# Altium PCB PCB_Amplifier.PcbDoc (part 3 of 4) (continued)
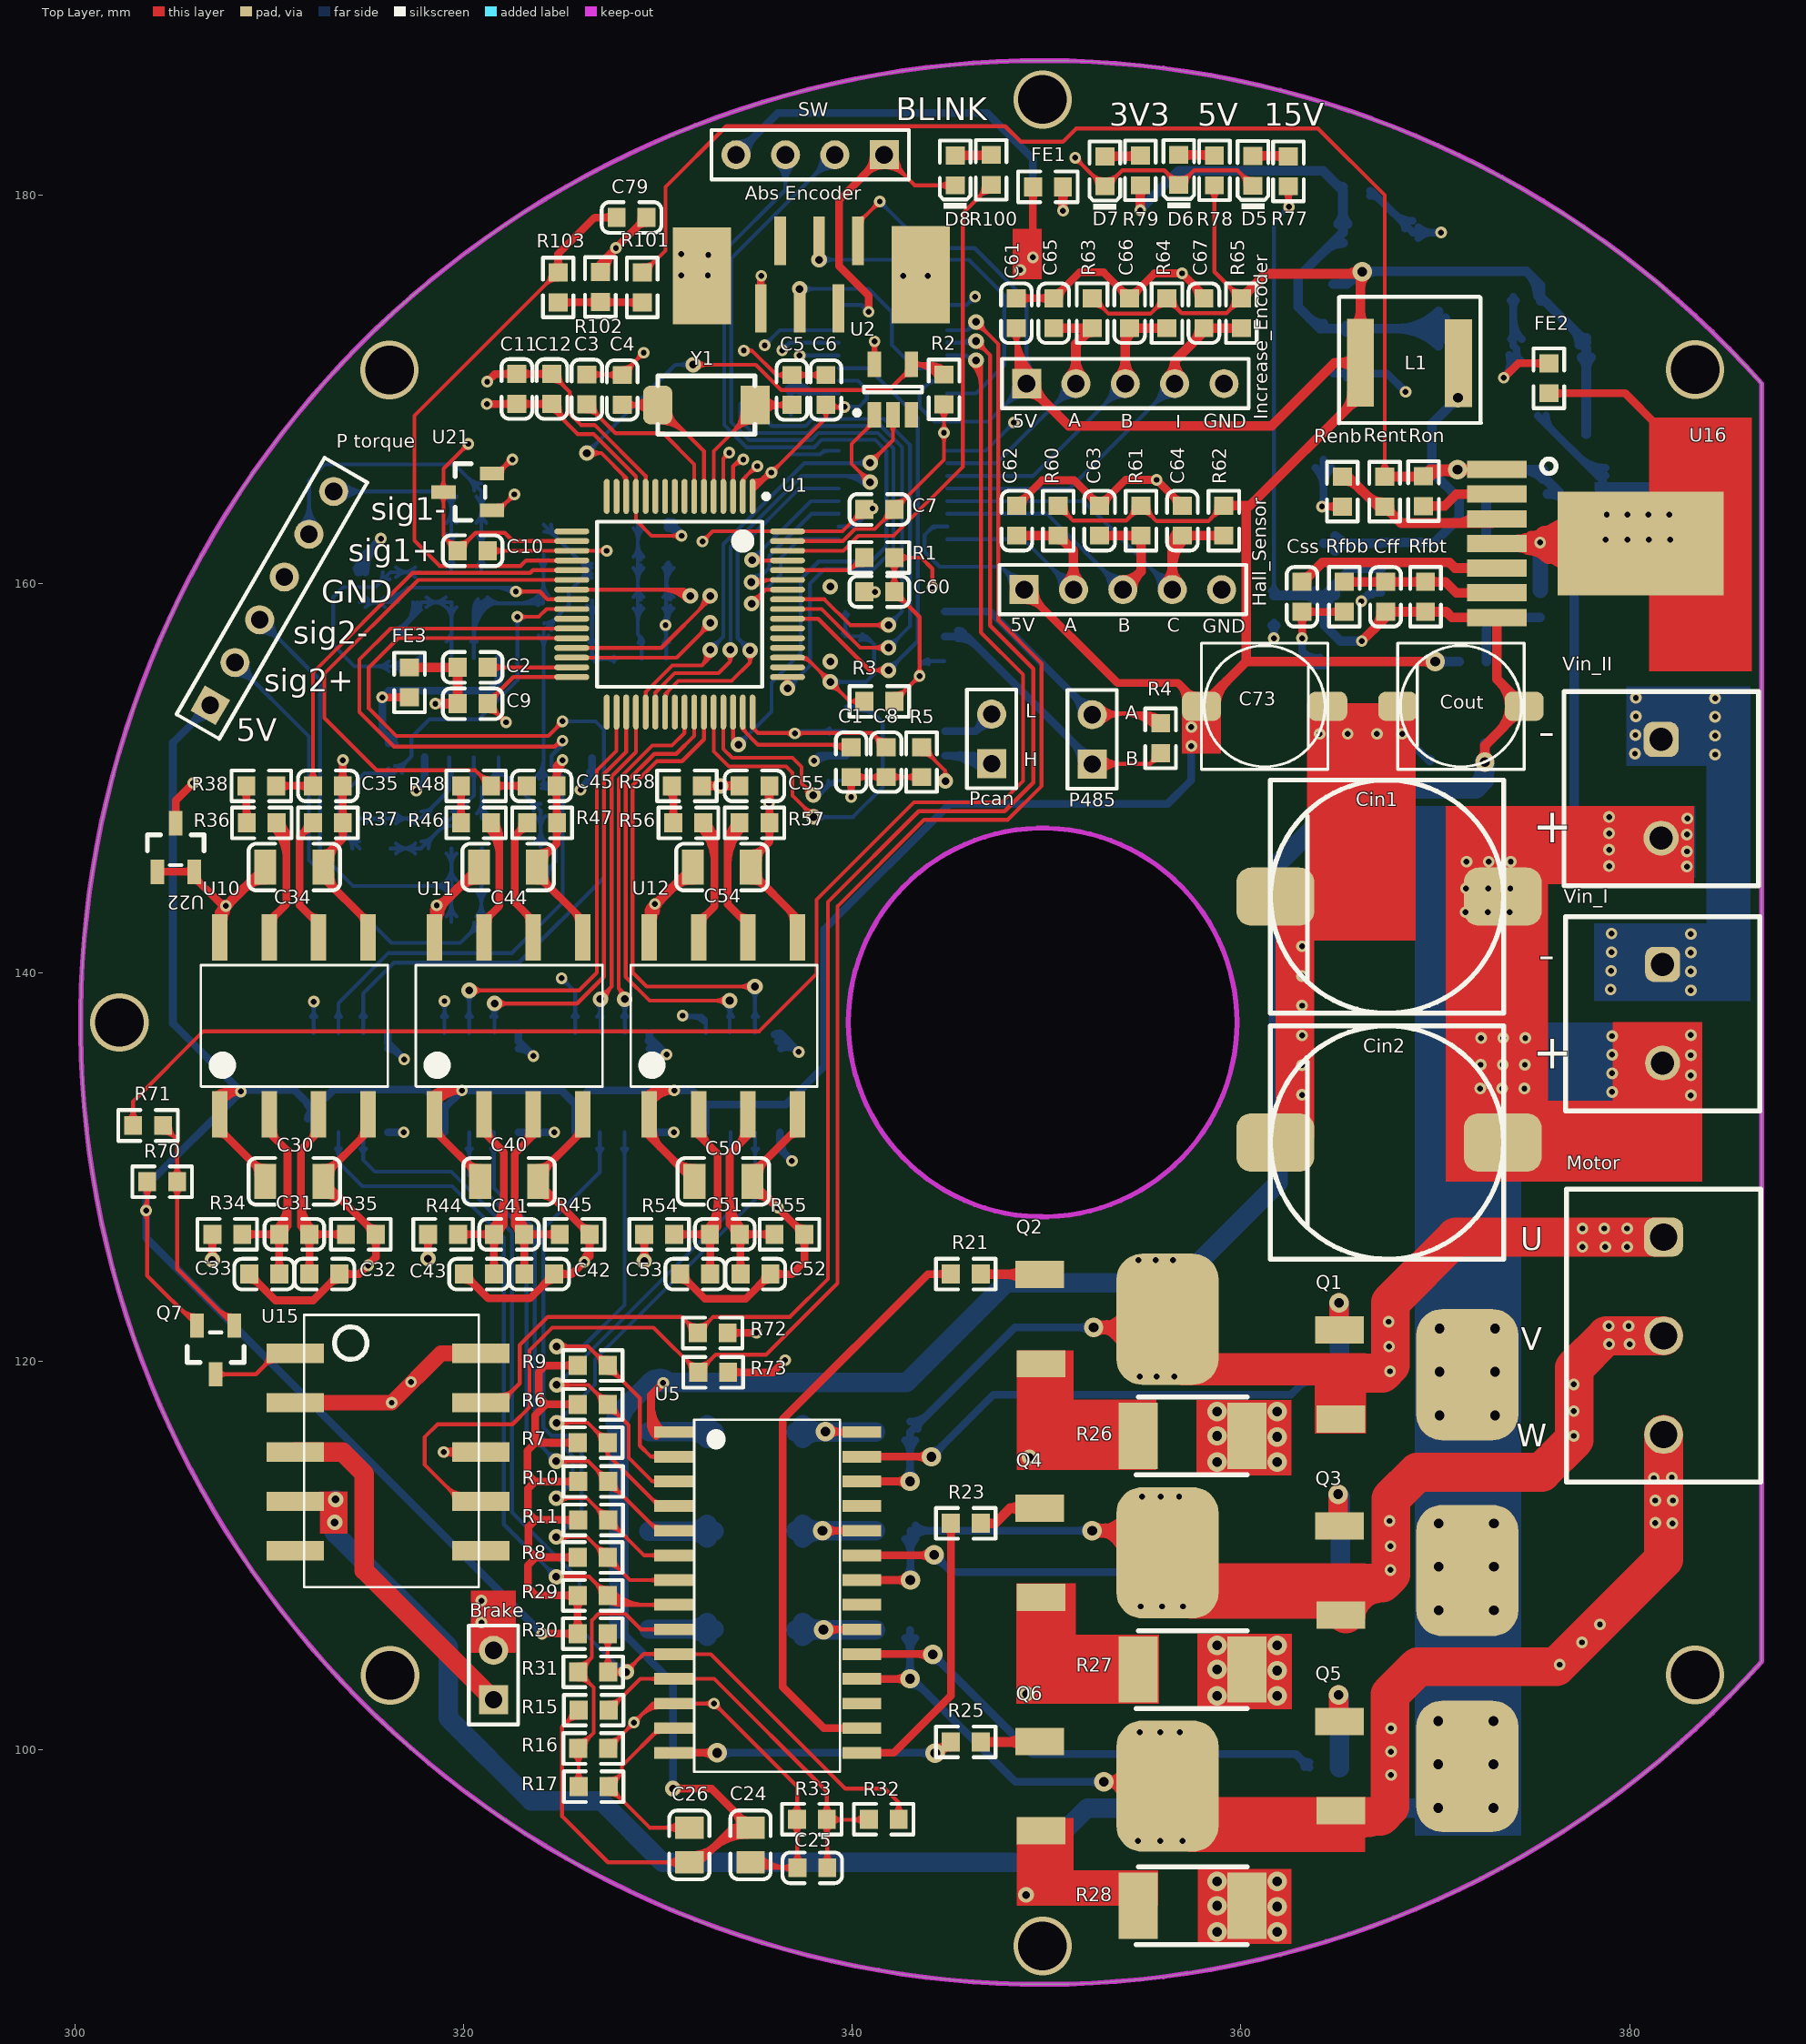
[diagram p0: Top Layer view]
## Nets (pads, with @x,y where several pads share a name; then routed paths per layer and width w, separated by ;. In a path a pad name is that pad's centre, name@x,y a point inside that pad or via, vN(x,y) a via of type N, cw(c..) or ccw(c..) an arc to the next point about the centre after c; other vN are vias at no path point) (continued)
  Bottom Layer w0.2: U13.16@344.9,162.3 348.79,162.3 Hall_Sensor.2@351.39,159.7 ; Hall_Sensor.2@350.74,159.7 ccw(c349.171,159.7) 350.28,160.81 ccw(c351.39,161.919) Hall_Sensor.2@351.39,160.35 ; Hall_Sensor.2@350.94,159.7 ccw(c349.854,159.7) 350.622,160.468 ccw(c351.39,161.236) Hall_Sensor.2@351.39,160.15
NetC63_2: C63.2 Hall_Sensor.3 R61.1 U13.14 | length 24.5
  Top Layer w0.5: C63.2@352.735,162.48 R61.1@354.865,162.48 354.865,160.635 Hall_Sensor.3@353.93,159.7 ; C63.2@352.912,162.328 cw(c353.279,161.961) 353.279,162.48 cw(c353.279,162.999) C63.2@352.912,162.632 ; Hall_Sensor.3@353.93,160.2 ccw(c353.93,161.407) 354.784,160.554 ccw(c355.637,159.7) Hall_Sensor.3@354.43,159.7 ; R61.1@354.688,162.328 ccw(c354.321,161.961) 354.321,162.48 ccw(c354.321,162.999) R61.1@354.688,162.632 ; R61.1@354.713,162.328 cw(c354.346,161.961) 354.865,161.961 cw(c355.384,161.961) R61.1@355.017,162.328
  Bottom Layer w0.2: U13.14@344.9,163.6 350.03,163.6 Hall_Sensor.3@353.93,159.7 ; Hall_Sensor.3@353.28,159.7 ccw(c351.711,159.7) 352.82,160.81 ccw(c353.93,161.919) Hall_Sensor.3@353.93,160.35 ; Hall_Sensor.3@353.48,159.7 ccw(c352.394,159.7) 353.162,160.468 ccw(c353.93,161.236) Hall_Sensor.3@353.93,160.15
NetC64_2: C64.2 Hall_Sensor.4 R62.1 U13.13 | length 30.4
  Top Layer w0.5: Hall_Sensor.4@356.116,160.054 ccw(c355.263,160.907) 356.47,160.907 ccw(c357.677,160.907) Hall_Sensor.4@356.824,160.054 ; Hall_Sensor.4@356.47,159.7 356.47,161.955 C64.2@356.995,162.48 R62.1@359.125,162.48 ; 356.47,160.754 cw(c358.696,160.754) C64.2@357.122,162.328 ; 356.47,161.755 cw(c356.98,161.755) C64.2@356.973,162.265 ; 356.47,161.961 cw(c357.489,161.961) C64.2@356.768,162.682 ; C64.2@356.585,162.07 ccw(c356.176,162.48) C64.2@356.755,162.48 ; C64.2@356.646,162.131 cw(c356.97,161.806) C64.2@356.97,162.265 ; C64.2@357.172,162.328 cw(c357.539,161.961) 357.539,162.48 cw(c357.539,162.999) C64.2@357.172,162.632 ; R62.1@358.948,162.328 ccw(c358.581,161.961) 358.581,162.48 ccw(c358.581,162.999) R62.1@358.948,162.632
  Bottom Layer w0.2: U13.13@344.9,164.25 351.92,164.25 Hall_Sensor.4@356.47,159.7 ; Hall_Sensor.4@355.82,159.7 ccw(c354.251,159.7) 355.36,160.81 ccw(c356.47,161.919) Hall_Sensor.4@356.47,160.35 ; Hall_Sensor.4@356.02,159.7 ccw(c354.934,159.7) 355.702,160.468 ccw(c356.47,161.236) Hall_Sensor.4@356.47,160.15
NetC65_2: C65.2 Increase_Encoder.2 R63.1 U13.10 | length 22
  Top Layer w0.5: C65.2@350.375,173.155 R63.1@352.35,173.155 ; C65.2@350.552,173.003 cw(c350.919,172.636) 350.919,173.155 cw(c350.919,173.674) C65.2@350.552,173.307 ; Increase_Encoder.2@351.161,170.654 ccw(c350.308,171.507) 351.515,171.507 ccw(c352.722,171.507) Increase_Encoder.2@351.869,170.654 ; Increase_Encoder.2@351.515,170.3 351.515,172.34 R63.1@352.325,173.15 ; R63.1@351.954,172.779 ccw(c351.579,173.155) R63.1@352.11,173.155 ; R63.1@351.967,172.792 cw(c352.325,172.433) R63.1@352.325,172.94 ; R63.1@352.173,173.003 ccw(c351.806,172.636) 351.806,173.155 ccw(c351.806,173.674) R63.1@352.173,173.307
  Bottom Layer w0.2: U13.10@344.9,166.2 347.415,166.2 Increase_Encoder.2@351.515,170.3 ; Increase_Encoder.2@350.865,170.3 cw(c349.296,170.3) 350.405,169.19 cw(c351.515,168.081) Increase_Encoder.2@351.515,169.65 ; Increase_Encoder.2@351.065,170.3 cw(c349.979,170.3) 350.747,169.532 cw(c351.515,168.764) Increase_Encoder.2@351.515,169.85
NetC66_2: C66.2 Increase_Encoder.3 R64.1 U13.11 | length 24.5
  Top Layer w0.5: Increase_Encoder.3@353.701,170.654 ccw(c352.848,171.507) 354.055,171.507 ccw(c355.262,171.507) Increase_Encoder.3@354.409,170.654 ; Increase_Encoder.3@354.055,170.3 C66.2@354.055,173.155 ; 354.055,172.165 cw(c355.24,172.165) C66.2@354.402,173.003 ; C66.2@354.35,173.155 R64.1@356.2,173.155 ; C66.2@354.452,173.003 cw(c354.819,172.636) 354.819,173.155 cw(c354.819,173.674) C66.2@354.452,173.307 ; R64.1@356.023,173.003 ccw(c355.656,172.636) 355.656,173.155 ccw(c355.656,173.674) R64.1@356.023,173.307
  Bottom Layer w0.2: U13.11@344.9,165.55 349.305,165.55 Increase_Encoder.3@354.055,170.3 ; Increase_Encoder.3@353.405,170.3 cw(c351.836,170.3) 352.945,169.19 cw(c354.055,168.081) Increase_Encoder.3@354.055,169.65 ; Increase_Encoder.3@353.605,170.3 cw(c352.519,170.3) 353.287,169.532 cw(c354.055,168.764) Increase_Encoder.3@354.055,169.85
NetC67_2: C67.2 Increase_Encoder.4 R65.1 U13.12 | length 27.6
  Top Layer w0.5: Increase_Encoder.4@356.249,170.661 ccw(c355.476,171.47) 356.595,171.47 ; Increase_Encoder.4@356.595,170.3 356.595,171.47 ; Increase_Encoder.4@356.941,170.661 cw(c357.714,171.47) 356.595,171.47 ; 357.563,172.438 ccw(c356.846,173.155) C67.2@357.86,173.155 ; C67.2@358.277,173.003 cw(c358.644,172.636) 358.644,173.155 cw(c358.644,173.674) C67.2@358.277,173.307 ; R65.1@359.848,173.003 ccw(c359.481,172.636) 359.481,173.155 ccw(c359.481,173.674) R65.1@359.848,173.307 ; R65.1@360.025,173.155 358.28,173.155 356.595,171.47
  Bottom Layer w0.2: U13.12@344.9,164.9 351.195,164.9 Increase_Encoder.4@356.595,170.3 ; Increase_Encoder.4@355.945,170.3 cw(c354.376,170.3) 355.485,169.19 cw(c356.595,168.081) Increase_Encoder.4@356.595,169.65 ; Increase_Encoder.4@356.145,170.3 cw(c355.059,170.3) 355.827,169.532 cw(c356.595,168.764) Increase_Encoder.4@356.595,169.85
NetC72_1: C72.1 L1.2 T1.2 U17.8 | length 18.2
  Bottom Layer w0.5: T1.2@364.255,162.08 U17.8@367.225,162.08 367.28,162.135 369.96,162.135 371.225,163.4 C72.1@371.225,164.375 369.825,165.775 369.825,168.225 v2(371.175,169.575) ; T1.2@364.839,161.686 cw(c365.79,160.735) 365.79,162.08 ; T1.2@364.839,162.464 ccw(c365.766,163.391) 365.766,162.08 ; C72.1@370.884,164.716 ccw(c371.225,165.058) C72.1@371.225,164.575 ; v2@370.925,169.575 cw(c370.321,169.575) 370.748,169.148 cw(c371.175,168.721) v2@371.175,169.325
NetC72_2: C72.2 U17.1 | length 2.3
  Bottom Layer w0.5: U17.1@372.625,162.08 C72.2@372.625,164.375
NetC80_2: C80.2 R85.1 R86.2 U23.3 | length 17.5
  Bottom Layer w0.2: R86.2@328.747,158.742 cw(c328.196,158.191) 328.975,158.191 ; R86.2@328.747,159.308 ccw(c328.196,159.859) 328.975,159.859 ; C80.2@328.747,160.817 cw(c328.196,160.266) 328.975,160.266 ; C80.2@328.747,161.383 ccw(c328.196,161.934) 328.975,161.934 ; R85.1@328.747,162.867 cw(c328.196,162.316) 328.975,162.316 ; 328.975,158.046 cw(c329.959,158.046) R86.2@329.263,158.742 ; 328.975,158.529 cw(c329.476,158.529) R86.2@329.122,158.883 ; 328.975,159.521 ccw(c329.476,159.521) R86.2@329.122,159.167 ; 328.975,160.004 ccw(c329.959,160.004) R86.2@329.263,159.308 ; 328.975,160.121 cw(c329.959,160.121) C80.2@329.263,160.817 ; 328.975,160.604 cw(c329.476,160.604) C80.2@329.122,160.958 ; 328.975,161.596 ccw(c329.476,161.596) C80.2@329.122,161.242 ; 328.975,162.079 ccw(c329.959,162.079) C80.2@329.263,161.383 ; 328.975,162.171 cw(c329.959,162.171) R85.1@329.263,162.867 ; 328.975,162.654 cw(c329.476,162.654) R85.1@329.122,163.008 ; R85.1@329.005,163.15 328.975,163.12 328.975,157.4 ; U23.3@329.006,156.946 ccw(c328.73,157.155) 328.975,157.4 ; U23.3@329.05,156.989 ccw(c328.894,157.21) 329.165,157.21 ; 329.137,157.238 cw(c328.914,157.015) U23.3@329.165,156.825 ; U23.3@329.165,156.125 329.165,157.21 ; U23.3@329.28,156.989 cw(c329.436,157.21) 329.165,157.21 ; 328.975,157.4 329.165,157.21
NetC82_2: C82.2 R90.2 R91.2 U24.3 | length 20.8
  Bottom Layer w0.2: U24.3@320.399,157.016 ccw(c320.057,157.358) 320.54,157.358 ccw(c321.023,157.358) U24.3@320.681,157.016 ; U24.3@320.54,156.175 320.54,158.645 R90.2@320.95,159.055 ; 320.54,157.244 cw(c322.736,157.244) R90.2@321.183,158.797 ; 320.54,157.727 cw(c322.253,157.727) R90.2@321.042,158.938 ; 320.54,158.21 cw(c321.77,158.21) R90.2@320.9,159.08 ; R90.2@320.54,158.693 cw(c321.287,158.693) R90.2@320.759,159.221 ; R90.2@321.015,158.995 324.1,158.995 C82.2@324.125,161.505 ; R90.2@321.092,159.172 ccw(c321.518,159.598) 321.518,158.995 ; R90.2@321.233,158.797 cw(c321.711,158.319) 321.711,158.995 ; R90.2@321.233,159.313 ccw(c322.001,160.081) 322.001,158.995 ; 322.857,158.995 ccw(c322.857,160.388) R91.2@323.842,159.403 ; 323.34,158.995 ccw(c323.34,159.905) R91.2@323.983,159.262 ; 323.581,158.995 cw(c323.581,158.626) R91.2@323.842,158.887 ; C82.2@323.839,161.249 cw(c323.149,160.573) 324.116,160.563 ; R91.2@323.869,159.406 ccw(c323.309,159.978) 324.11,159.97 ; 324.111,160.083 ccw(c325.072,160.074) R91.2@324.386,159.401 ; 324.117,160.684 cw(c324.913,160.676) C82.2@324.356,161.244
NetC83_1: C83.1 R89.2 R92.1 U24.2 | length 17.7
  Bottom Layer w0.2: R92.1@316.411,157.654 ccw(c316.206,158.8) 317.161,158.135 ; R92.1@316.446,157.457 ccw(c316.326,158.128) R92.1@316.885,157.739 ; R92.1@316.45,157.295 C83.1@317.812,158.657 ; R92.1@316.475,157.66 ccw(c316.475,158.481) 317.055,157.9 ; R92.1@316.834,157.359 cw(c317.423,157.464) 316.932,157.806 ; R92.1@316.84,157.295 cw(c317.782,157.295) 317.116,157.961 ; R92.1@316.866,157.711 ccw(c315.521,159.055) C83.1@317.422,159.055 ; 317.207,158.052 ccw(c316.204,159.055) C83.1@317.622,159.055 ; 317.548,158.393 ccw(c316.887,159.055) C83.1@317.822,159.055 ; C83.1@317.812,159.055 R89.2@319.381,159.055 U24.2@319.381,156.286 ; C83.1@318.096,158.797 cw(c318.719,158.174) 318.719,159.055 cw(c318.719,159.936) C83.1@318.096,159.313 ; R89.2@319.098,158.797 ccw(c318.475,158.174) 318.475,159.055 ccw(c318.475,159.936) R89.2@319.098,159.313 ; R89.2@319.123,158.797 cw(c318.5,158.174) 319.381,158.174 cw(c320.262,158.174) R89.2@319.639,158.797 ; U24.2@319.129,157.016 ccw(c318.519,157.626) 319.381,157.626
NetC83_2: C83.2 R92.2 R93.1 U24.1 | length 21.9
  Bottom Layer w0.2: 315.578,159.929 ccw(c314.912,160.595) R93.1@315.854,160.595 ; 315.638,159.99 cw(c316.219,159.409) R93.1@316.219,160.23 ; R92.2@316.167,155.497 ccw(c315.544,154.874) 315.544,155.755 ccw(c315.544,156.636) R92.2@316.167,156.013 ; R93.1@316.527,160.337 cw(c317.15,159.714) 317.15,160.595 cw(c317.15,161.476) R93.1@316.527,160.853 ; R92.2@316.595,155.642 cw(c317.311,154.965) 317.311,155.95 ; R92.2@316.74,155.504 cw(c317.775,154.526) U24.1@317.775,155.95 ; 316.974,155.95 ccw(c316.974,157.201) U24.1@317.859,156.316 ; 317.457,155.95 ccw(c317.457,156.718) U24.1@318,156.175 317.775,155.95 316.645,155.95 R92.2@316.45,155.755 314.395,155.755 313.3,156.85 313.3,159.325 313.8,159.825 315.474,159.825 R93.1@316.244,160.595 C83.2@317.812,160.595 ; C83.2@317.529,160.337 ccw(c316.906,159.714) 316.906,160.595 ccw(c316.906,161.476) C83.2@317.529,160.853
NetC86_1: C86.1 R95.1 R96.1 U24.5 | length 15.9
  Bottom Layer w0.2: R95.1@320.692,148.178 ccw(c320.069,148.801) 320.95,148.801 ccw(c321.831,148.801) R95.1@321.208,148.178 ; R95.1@320.95,147.92 320.95,149.55 321.81,150.41 U24.5@321.81,151.075 321.81,150.495 323.975,148.33 C86.1@323.975,146.47 ; 321.409,150.009 cw(c321.81,149.608) 321.81,150.175 cw(c321.81,149.402) 322.356,149.949 ; 321.493,150.093 ccw(c321.212,150.375) U24.5@321.61,150.375 ; 323.334,148.971 cw(c322.668,148.305) R96.1@323.61,148.305 ; 323.395,148.91 ccw(c323.975,149.491) R96.1@323.975,148.67 ; C86.1@323.717,146.728 ccw(c323.094,147.351) 323.975,147.351 ccw(c324.856,147.351) C86.1@324.233,146.728 ; R96.1@323.717,148.047 cw(c323.094,147.424) 323.975,147.424 cw(c324.856,147.424) R96.1@324.233,148.047
NetC87_1: C87.1 R94.1 R97.1 U24.6 | length 15.5
  Bottom Layer w0.2: C87.1@316.244,146.38 R97.1@317.813,146.38 320.54,149.108 U24.6@320.54,151.075 ; C87.1@316.527,146.122 cw(c317.15,145.499) 317.15,146.38 cw(c317.15,147.261) C87.1@316.527,146.638 ; R97.1@317.529,146.122 ccw(c316.906,145.499) 316.906,146.38 ccw(c316.906,147.261) R97.1@317.529,146.638 ; R97.1@317.837,146.745 ccw(c317.837,147.566) 318.418,146.985 ; R97.1@318.203,146.38 cw(c319.144,146.38) 318.478,147.046 ; 318.727,147.294 cw(c319.356,146.665) R94.1@319.356,147.555 ; 318.736,147.303 ccw(c318.119,147.92) R94.1@318.991,147.92 ; R94.1@319.406,148.285 ccw(c319.406,149.036) 319.938,148.505 ; R94.1@319.571,147.92 cw(c320.099,147.92) R94.1@319.726,148.293 ; R94.1@319.771,147.92 cw(c320.782,147.92) 320.067,148.635 ; U24.6@320.399,150.234 cw(c320.057,149.892) 320.54,149.892 cw(c321.023,149.892) U24.6@320.681,150.234
NetC87_2: C87.2 R97.2 R99.1 U24.7 | length 14.6
  Bottom Layer w0.2: R99.1@314.675,147.92 R97.2@317.813,147.92 319.27,149.378 U24.7@319.27,151.075 ; R99.1@314.958,147.662 cw(c315.581,147.039) 315.581,147.92 cw(c315.581,148.801) R99.1@314.958,148.178 ; C87.2@315.961,147.662 ccw(c315.338,147.039) 315.338,147.92 ccw(c315.338,148.801) C87.2@315.961,148.178 ; C87.2@316.527,147.662 cw(c317.15,147.039) 317.15,147.92 cw(c317.15,148.801) C87.2@316.527,148.178 ; R97.2@317.529,147.662 ccw(c316.906,147.039) 316.906,147.92 ccw(c316.906,148.801) R97.2@317.529,148.178 ; R97.2@317.837,148.285 ccw(c317.837,149.106) 318.418,148.525 ; R97.2@318.203,147.92 cw(c319.144,147.92) 318.478,148.586 ; U24.7@319.129,150.234 cw(c318.787,149.892) 319.27,149.892 cw(c319.753,149.892) U24.7@319.411,150.234
NetCff_1: Cff.1 Rfbb.2 Rfbt.1 U16.6 | length 12.9
  Top Layer w0.5: Rfbb.2@365.325,160.1 370.525,160.1 371.09,159.535 U16.6@373.175,159.535 ; Rfbb.2@365.502,159.948 cw(c365.869,159.581) 365.869,160.1 cw(c365.869,160.619) Rfbb.2@365.502,160.252 ; Cff.1@367.273,159.948 ccw(c366.906,159.581) 366.906,160.1 ccw(c366.906,160.619) Cff.1@367.273,160.252 ; Cff.1@367.627,159.948 cw(c367.994,159.581) 367.994,160.1 cw(c367.994,160.619) Cff.1@367.627,160.252 ; Rfbt.1@369.323,159.948 ccw(c368.956,159.581) 368.956,160.1 ccw(c368.956,160.619) Rfbt.1@369.323,160.252 ; Rfbt.1@369.677,159.948 cw(c370.044,159.581) 370.044,160.1 cw(c370.044,160.619) Rfbt.1@369.677,160.252 ; U16.6@371.952,159.397 ccw(c371.619,159.064) 371.619,159.535 ccw(c371.619,160.006) U16.6@371.952,159.673
NetCss_2: Css.2 U16.5 | length 12.1
  Top Layer w0.5: Css.2@363.15,160.1 363.2,160.1 364.2,161.1 370.725,161.1 371.02,160.805 U16.5@373.175,160.805 ; Css.2@363.175,160.315 ccw(c363.175,160.894) Css.2@363.585,160.485 ; Css.2@363.39,160.1 cw(c363.849,160.1) Css.2@363.524,160.424 ; U16.5@371.952,160.667 ccw(c371.619,160.334) 371.619,160.805 ccw(c371.619,161.276) U16.5@371.952,160.943
NetD1_1: D1.1 R12.2 | length 5.3
  Bottom Layer w1: R12.2@329.545,116.375 D1.1@332.9,116.375 ; 331.693,116.375 ccw(c331.693,117.582) D1.1@332.546,116.729 ; 331.693,116.375 cw(c331.693,115.168) D1.1@332.546,116.021
NetD2_1: D2.1 R13.2 | length 5.3
  Bottom Layer w1: R13.2@329.545,111.25 D2.1@332.9,111.25 ; D2.1@332.546,110.896 ccw(c331.693,110.043) 331.693,111.25 ccw(c331.693,112.457) D2.1@332.546,111.604
NetD3_1: D3.1 R14.2 | length 5.3
  Bottom Layer w1: R14.2@329.545,106.2 D3.1@332.9,106.2 ; D3.1@332.546,105.846 ccw(c331.693,104.993) 331.693,106.2 ccw(c331.693,107.407) D3.1@332.546,106.554
NetD5_A: D5.A R77.1 | length 3.1
  Top Layer w0.5: D5.A@360.622,182.02 R77.1@362.425,182.02 ; D5.A@360.799,181.868 cw(c361.166,181.501) 361.166,182.02 cw(c361.166,182.539) D5.A@360.799,182.172 ; 361.846,182.02 cw(c361.846,181.416) R77.1@362.273,181.843
NetD6_A: D6.A R78.1 | length 3.1
  Top Layer w0.5: D6.A@356.811,182.07 R78.1@358.614,182.07 ; D6.A@356.988,181.918 cw(c357.355,181.551) 357.355,182.07 cw(c357.355,182.589) D6.A@356.988,182.222 ; 358.035,182.07 cw(c358.035,181.466) R78.1@358.462,181.893
NetD7_A: D7.A R79.1 | length 3.1
  Top Layer w0.5: D7.A@353,181.995 R79.1@354.778,181.995 ; D7.A@353.177,181.843 cw(c353.544,181.476) 353.544,181.995 cw(c353.544,182.514) D7.A@353.177,182.147 ; 354.164,181.995 ccw(c354.164,182.685) R79.1@354.651,182.197
NetD8_A: D8.A R100.1 | length 3.1
  Top Layer w0.5: D8.A@345.3,182.045 R100.1@347.125,182.045 ; D8.A@345.477,181.893 cw(c345.844,181.526) 345.844,182.045 cw(c345.844,182.564) D8.A@345.477,182.197 ; 346.546,182.045 ccw(c346.546,182.649) R100.1@346.973,182.222
NetP485_1: P485.1 R4.1 U4.7 | length 23.5
  Top Layer w0.2: P485.1@352.33,150.73 355.33,150.73 ; P485.1@352.668,150.407 cw(c353.448,149.627) 353.448,150.73 ; P485.1@352.668,151.043 ccw(c353.424,151.799) 353.424,150.73 ; P485.1@352.81,150.265 cw(c353.931,149.144) 353.931,150.73 ; P485.1@352.81,151.185 ccw(c353.907,152.282) 353.907,150.73 ; R4.1@355.49,151.222 cw(c354.928,151.132) 355.33,150.73 ; R4.1@355.825,150.916 ccw(c355.782,150.278) 355.33,150.73 ; R4.1@355.95,151.35 355.33,150.73
  Bottom Layer w0.4: U4.7@344.75,157.295 345.905,157.295 352.35,150.85 P485.1@352.35,150.225 ; U4.7@345.45,157.195 cw(c345.45,155.855) 346.397,156.803 ; U4.7@345.45,157.595 cw(c345.45,157.221) 345.715,157.485 ; 351.323,151.877 cw(c350.17,150.725) P485.1@351.8,150.725 ; 351.624,151.576 ccw(c352.35,152.301) P485.1@352.35,151.275
NetP485_2: P485.2 R4.2 U4.6 | length 27.6
  Top Layer w0.2: P485.2@352.35,152.765 352.91,153.325 355.325,153.325 ; P485.2@352.527,153.088 cw(c353.098,152.517) 353.098,153.325 ; P485.2@352.668,152.947 cw(c353.581,152.034) 353.581,153.325 ; P485.2@352.668,153.583 ccw(c353.292,154.207) 353.292,153.325 ; P485.2@352.81,152.805 cw(c354.064,151.551) 354.064,153.325 ; P485.2@352.81,153.725 ccw(c353.774,154.689) 353.774,153.325 ; 353.75,153.325 cw(c353.75,150.72) R4.2@355.592,152.562 ; 354.232,153.325 cw(c354.232,151.202) R4.2@355.733,152.703 ; 354.715,153.325 cw(c354.715,151.685) R4.2@355.875,152.845 ; 355.198,153.325 cw(c355.198,152.168) R4.2@356.016,152.986 ; R4.2@355.487,152.861 ccw(c354.925,152.925) 355.325,153.325 ; R4.2@355.787,153.179 cw(c355.696,153.696) 355.325,153.325 ; R4.2@355.787,152.613 355.787,152.863 355.325,153.325
  Bottom Layer w0.4: U4.6@344.75,158.565 347.11,158.565 351.885,153.79 P485.2@351.885,153.19 ; 351.369,154.306 cw(c350.327,153.265) P485.2@351.8,153.265 ; 351.514,154.161 ccw(c352.35,154.998) P485.2@352.35,153.815
NetPcan_1: Pcan.1 U3.7 | length 7.4
  Bottom Layer w0.4: U3.7@344.775,151.145 346.28,151.145 ; U3.7@344.894,151.145 cw(c344.894,148.469) Pcan.1@346.786,150.361 ; U3.7@345.562,151.195 ccw(c346.216,151.573) 346.02,150.843 ; 345.859,151.145 cw(c345.859,149.434) Pcan.1@347.069,150.644 ; Pcan.1@346.79,151.143 cw(c346.536,151.401) 346.28,151.145 ; Pcan.1@347.175,150.25 346.28,151.145
NetPcan_2: Pcan.2 U3.6 | length 4.3
  Bottom Layer w0.4: U3.6@344.775,152.415 346.365,152.415 ; Pcan.2@346.631,153.212 cw(c345.701,153.079) 346.365,152.415 ; Pcan.2@347.167,152.74 ccw(c347.15,151.63) 346.365,152.415 ; Pcan.2@347.175,152.79 346.74,152.79 346.365,152.415
NetQ1_1: Q1.1 R20.2 | length 5.1
  Top Layer w1: Q1.1@365.05,121.625 v2(365.05,123)
  Bottom Layer w1: R20.2@365.07,119.225 v2@365.07,122.98
NetQ2_1: Q2.1 R21.2 | length 5.5
  Top Layer w0.5: R21.2@346.62,124.475 Q2.1@349.625,124.475 ; R21.2@346.772,124.323 cw(c347.139,123.956) 347.139,124.475 cw(c347.139,124.994) R21.2@346.772,124.627 ; 347.953,124.475 cw(c347.953,123.303) Q2.1@348.782,124.132 ; 348.074,124.475 ccw(c348.074,125.476) Q2.1@348.782,124.768
NetQ3_1: Q3.1 R22.2 | length 5.4
  Top Layer w1: Q3.1@365,111.6 v2(365,113.15)
  Bottom Layer w1: R22.2@365.12,109.15 v2@365.12,113.03
NetQ4_1: Q4.1 R23.2 | length 5.6
  Top Layer w0.5: R23.2@346.62,111.65 347.35,111.65 348.137,112.437 ; R23.2@346.772,111.498 cw(c347.139,111.131) 347.139,111.65 cw(c347.139,112.169) R23.2@346.772,111.802 ; Q4.1@348.755,112.149 ccw(c348.138,111.633) 348.138,112.437 ; Q4.1@348.755,112.726 cw(c348.138,113.242) 348.138,112.437 ; Q4.1@349.65,112.437 348.137,112.437
NetQ5_1: Q5.1 R24.2 | length 5
  Top Layer w1: Q5.1@365.025,101.5 v2(365.025,102.825)
  Bottom Layer w1: R24.2@365.07,99.075 v2@365.07,102.78
NetQ6_1: Q6.1 R25.2 | length 5.5
  Top Layer w0.5: R25.2@346.62,100.4 Q6.1@349.625,100.4 ; R25.2@346.772,100.248 cw(c347.139,99.881) 347.139,100.4 cw(c347.139,100.919) R25.2@346.772,100.552 ; 347.953,100.4 ccw(c347.953,101.572) Q6.1@348.782,100.743 ; 348.074,100.4 cw(c348.074,99.399) Q6.1@348.782,100.107
NetQ7_1: Q7.1 R70.1 R71.2 | length 17.6
  Top Layer w0.2: R71.2@304.545,131.735 cw(c304.545,130.793) 305.211,131.459 ; R71.2@304.545,132.125 305.27,131.4 R70.1@305.27,129.225 305.27,124.755 Q7.1@308.2,121.825 ; R71.2@304.91,132.1 ccw(c305.731,132.1) 305.15,131.52 ; R70.1@305.012,128.942 cw(c304.389,128.319) 305.27,128.319 cw(c306.151,128.319) R70.1@305.528,128.942 ; R70.1@305.012,129.508 ccw(c304.389,130.131) 305.27,130.131 ccw(c306.151,130.131) R70.1@305.528,129.508 ; 307.304,122.721 ccw(c308.2,123.617) Q7.1@308.2,122.35 ; 307.645,122.38 ccw(c308.2,122.935) Q7.1@308.2,122.15
NetQ7_3: Q7.3 U15.1 | length 7.4
  Top Layer w0.2: Q7.3@307.25,119.325 309.325,119.325 310.4,120.4 U15.1@311.34,120.4 ; Q7.3@307.427,119.148 cw(c307.854,118.721) 307.854,119.325 cw(c307.854,119.929) Q7.3@307.427,119.502 ; 309.666,119.666 ccw(c308.932,120.4) U15.1@309.97,120.4 ; 309.738,119.738 cw(c310.37,119.107) U15.1@310.37,120 ; U15.1@310.007,120.007 ccw(c309.615,120.4) U15.1@310.17,120.4
NetR1_2: R1.2 U1.60 | length 6
  Top Layer w0.2: U1.60@336.675,160.7 339.855,160.7 ; 340.113,160.958 ccw(c339.746,161.325) R1.2@340.265,161.325 ; 340.152,160.997 cw(c340.555,160.595) R1.2@340.613,161.161 ; R1.2@340.592,160.962 ccw(c340.499,160.056) 339.855,160.7 ; R1.2@340.63,161.475 339.855,160.7
NetR5_1: R5.1 U3.8 | length 4.3
  Top Layer w0.2: R5.1@343.575,151.595 344.795,150.375 ; R5.1@343.6,151.23 cw(c343.6,150.409) 344.18,150.99 ; R5.1@343.965,151.595 ccw(c344.907,151.595) 344.241,150.929 ; v3@344.644,150.106 ccw(c344.48,150.375) 344.795,150.375 ; v3@344.795,149.85 344.795,150.375 ; v3@344.949,150.111 cw(c345.099,150.375) 344.795,150.375
  other v3: 344.8,149.85
NetR16_1: R16.1 R17.2 R31.1 U5.9 | length 21.9
  Top Layer w0.2: R16.1@325.647,99.785 cw(c324.963,99.102) 325.93,99.102 ; R17.2@325.672,98.383 ccw(c325.049,99.006) 325.93,99.006 ccw(c326.811,99.006) R17.2@326.188,98.383 ; R16.1@325.905,100.068 326.7,100.863 326.7,103.21 R31.1@325.905,104.005 325.905,104.055 326.605,104.755 326.605,106.655 326.95,107 328.325,107 329.135,106.19 U5.9@330.825,106.19 ; R16.1@325.905,100.458 ccw(c325.905,101.4) 326.571,100.734 ; R31.1@325.905,103.615 cw(c325.905,102.673) 326.571,103.339 ; R31.1@325.905,104.395 ccw(c325.905,105.214) 326.485,104.635 ; R17.2@325.93,98.1 R16.1@325.93,100.043 ; 325.93,99.222 cw(c326.726,99.222) R16.1@326.163,99.785 ; R16.1@326.27,100.093 cw(c327.091,100.093) 326.51,100.674 ; R31.1@326.27,103.98 ccw(c327.091,103.98) 326.51,103.399 ; R31.1@326.27,104.03 cw(c327.213,104.03) 326.546,104.696 ; U5.9@329.984,106.049 ccw(c329.642,105.707) 329.642,106.19 ccw(c329.642,106.673) U5.9@329.984,106.331
NetR36_1: R36.1 U10.7 | length 10.4
  Top Layer w0.4: U10.7@310.005,142.63 310.9,143.525 310.9,147.195 R36.1@310.395,147.7 ; U10.7@310.005,142.8 ccw(c310.005,143.21) U10.7@310.295,142.92 ; U10.7@310.205,142.6 cw(c310.76,142.6) U10.7@310.368,142.993 ; R36.1@310.208,147.488 cw(c308.536,145.816) 310.9,145.816 ; R36.1@310.395,147.41 cw(c310.395,146.71) 310.89,147.205 ; R36.1@310.49,147.77 cw(c309.502,146.782) 310.9,146.782 ; R36.1@310.66,147.675 ccw(c311.239,147.675) R36.1@310.83,147.265
NetR36_2: R36.2 R38.1 | length 3.9
  Top Layer w0.4: R38.1@308.643,149.388 cw(c308.19,148.935) 308.83,148.935 cw(c309.47,148.935) R38.1@309.017,149.388 ; R36.2@308.668,147.912 ccw(c308.276,148.304) 308.83,148.304 ; R36.2@308.83,147.725 R38.1@308.83,149.6 ; 308.83,148.425 ccw(c309.555,148.425) R36.2@309.042,147.912
NetR37_1: R37.1 U10.6 | length 7.5
  Top Layer w0.4: 311.76,147.205 cw(c312.255,146.71) R37.1@312.255,147.41 ; R37.1@311.82,147.265 ccw(c311.411,147.675) R37.1@311.99,147.675 ; 311.999,143.026 ccw(c312.545,143.573) U10.6@312.545,142.8 ; R37.1@312.255,147.7 311.575,147.02 311.575,143.45 U10.6@312.545,142.48
NetR46_1: R46.1 U11.7 | length 10.1
  Top Layer w0.4: U11.7@321.055,142.63 321.85,143.425 321.85,147.125 ; U11.7@321.055,142.8 ccw(c321.055,143.21) U11.7@321.345,142.92 ; R46.1@321.233,147.488 cw(c319.742,145.997) 321.85,145.997 ; U11.7@321.255,142.6 cw(c321.81,142.6) U11.7@321.418,142.993 ; R46.1@321.419,147.41 cw(c321.417,146.977) 321.85,146.977 ; R46.1@321.42,147.7 321.42,147.555 321.85,147.125 ; R46.1@321.515,147.77 cw(c320.708,146.963) 321.85,146.963 ; R46.1@321.682,147.635 ccw(c322.272,147.547) 321.85,147.125
NetR46_2: R46.2 R48.1 | length 3.9
  Top Layer w0.4: R46.2@319.693,147.912 ccw(c319.24,148.365) 319.88,148.365 ccw(c320.52,148.365) R46.2@320.067,147.912 ; R48.1@319.693,149.388 cw(c319.24,148.935) 319.88,148.935 cw(c320.52,148.935) R48.1@320.067,149.388 ; R46.2@319.88,147.7 R48.1@319.88,149.6
NetR47_1: R47.1 U11.6 | length 7.2
  Top Layer w0.4: 322.813,147.188 ccw(c322.327,147.675) R47.1@323.015,147.675 ; R47.1@322.862,147.237 cw(c323.28,146.819) R47.1@323.28,147.41 ; 323.215,143.035 cw(c322.779,142.6) U11.6@323.395,142.6 ; R47.1@323.28,147.7 323.28,147.655 322.65,147.025 322.65,143.6 U11.6@323.595,142.655
NetR56_1: R56.1 U12.7 | length 10.8
  Top Layer w0.4: U12.7@332.105,142.58 332.925,143.4 332.925,147.12 R56.1@332.345,147.7 ; U12.7@332.105,142.8 ccw(c332.105,143.331) U12.7@332.481,142.956 ; R56.1@332.158,147.488 cw(c330.305,145.635) 332.925,145.635 ; U12.7@332.305,142.6 cw(c332.74,142.6) U12.7@332.432,142.907 ; R56.1@332.345,147.41 cw(c332.345,146.71) 332.84,147.205 ; R56.1@332.44,147.77 cw(c331.271,146.601) 332.925,146.601 ; R56.1@332.61,147.675 ccw(c333.189,147.675) R56.1@332.78,147.265
NetR56_2: R56.2 R58.1 | length 3.5
  Top Layer w0.4: R58.1@330.543,149.388 cw(c329.909,148.754) 330.805,148.754 ; R56.2@330.618,147.912 ccw(c330.165,148.365) 330.805,148.365 ccw(c331.445,148.365) R56.2@330.992,147.912 ; R56.2@330.805,147.7 R58.1@330.805,149.525
NetR57_1: R57.1 U12.6 | length 11.1
  Top Layer w0.4: 333.6,145.575 cw(c336.305,145.575) R57.1@334.392,147.488 ; 333.6,146.54 cw(c335.34,146.54) R57.1@334.11,147.77 ; 333.71,147.205 cw(c334.205,146.71) R57.1@334.205,147.41 ; R57.1@333.77,147.265 ccw(c333.361,147.675) R57.1@333.94,147.675 ; 334.056,143.044 ccw(c334.645,143.633) U12.6@334.645,142.8 ; R57.1@334.205,147.7 333.6,147.095 333.6,143.5 U12.6@334.645,142.455
NetR75_1: R75.1 R76.2 U17.4 | length 5
  Bottom Layer w0.5: R75.1@372.63,156.005 372.63,158.275 R76.2@375.4,158.275
NetR80_1: R80.1 R81.1 U14.1 | length 14.5
  Bottom Layer w0.2: R81.1@336.562,169.183 ccw(c335.878,169.867) R80.1@336.845,169.867 ; R80.1@336.562,170.017 cw(c335.878,169.333) R81.1@336.845,169.333 ; R81.1@336.629,169.236 ccw(c336.458,169.515) 336.774,169.599 ; R80.1@336.654,170.109 ccw(c337.399,170.854) 337.399,169.8 ; R80.1@336.795,170.25 ccw(c337.882,171.337) 337.882,169.8 ; 336.799,169.507 ccw(c337.221,169.62) R81.1@337.003,169.241 ; R80.1@336.82,170.3 R80.1@336.845,170.275 ; R81.1@336.845,168.7 R80.1@336.845,170.275 ; 336.845,169.454 cw(c337.641,169.454) R80.1@337.078,170.017 ; 336.845,169.746 ccw(c337.641,169.746) R81.1@337.078,169.183 ; R80.1@336.903,169.919 cw(c337.004,169.484) 337.32,169.8 ; R80.1@336.937,170.392 ccw(c338.365,171.82) 338.365,169.8 ; R80.1@337.078,170.533 ccw(c338.848,172.303) U14.1@338.848,169.8 ; R80.1@337.181,170.221 ccw(c337.668,170.149) 337.32,169.8 ; 338.45,169.877 cw(c338.402,169.633) U14.1@338.609,169.772 ; U14.1@339.3,169.8 337.32,169.8 ; R80.1@336.845,170.275 337.32,169.8
NetR87_1: R87.1 U23.1 U23.2 | length 7.9
  Bottom Layer w0.2: R87.1@326.367,158.872 cw(c325.744,158.249) 326.625,158.249 cw(c327.506,158.249) R87.1@326.883,158.872 ; U23.1@326.484,156.966 ccw(c326.142,157.308) 326.625,157.308 ccw(c327.108,157.308) U23.1@326.766,156.966 ; R87.1@326.625,159.13 U23.1@326.625,156.125 U23.2@327.895,156.125 ; U23.1@326.766,155.984 cw(c327.108,155.642) 327.108,156.125 cw(c327.108,156.608) U23.1@326.766,156.266 ; U23.2@327.754,155.984 ccw(c327.412,155.642) 327.412,156.125 ccw(c327.412,156.608) U23.2@327.754,156.266